# Allegro board Single PMT Data AcquisitionV_3P3.brd (continued)
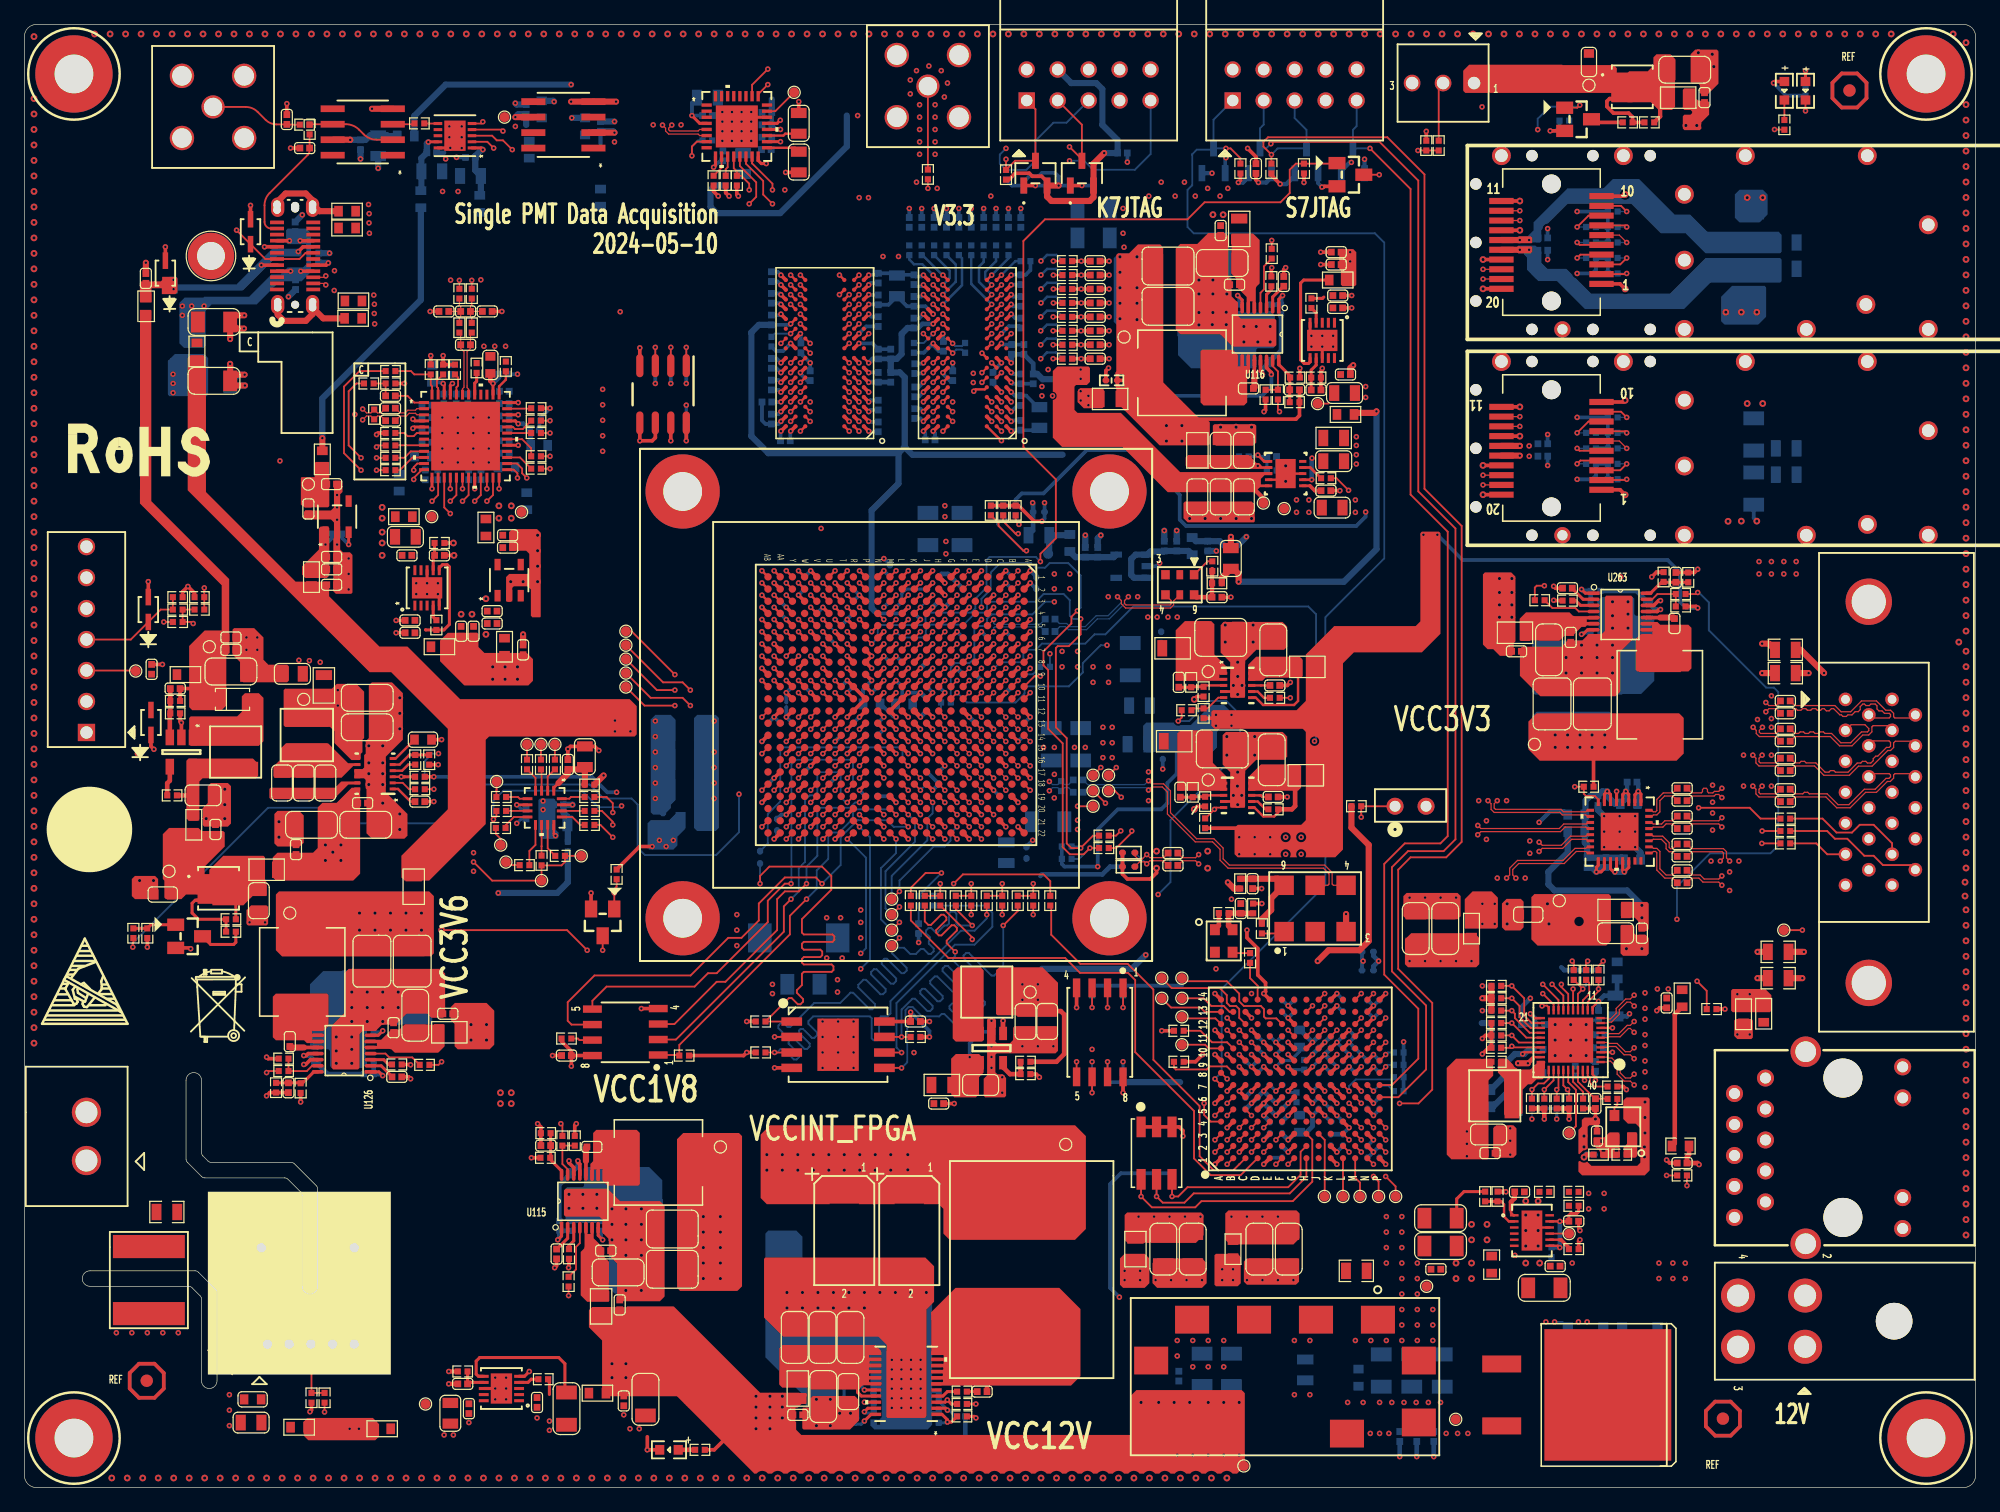
[diagram p0: board, top side]
## Copper pours and planes (outline as drawn; the poured copper is in the pictures) (continued)
VCC3V3_SFPGA_ETH on TOP: 136.32,41.4 133.78,41.4 133.69,41.31 133.69,40.1 133.91,39.88 134.79,39.88 135.43,40.51 136.32,40.51 136.44,40.64 136.44,41.27
VCC3V3_SFPGA_ETH on BOTTOM: 119.43,33.4 119.17,33.66 119.17,37.21 119.43,37.47 119.68,37.47 119.81,37.59 119.81,40.39 119.68,40.51 119.43,40.51 119.3,40.64 119.3,41.4 120.25,42.35 126.22,42.35 126.48,42.61 126.48,43.24 126.79,43.56 129.33,43.56 130.09,42.8 132.89,42.8 133.14,42.55 133.14,31.5 133.02,31.37 132.25,31.37 128.57,27.69 128.57,26.54 128.95,26.16 129.59,26.16 131.37,27.94 133.65,27.94 134.73,29.02 134.73,32.07 135.05,32.38 135.05,44.32 134.03,45.34 125.65,45.34 125.14,45.85 125.14,47.88 124.89,48.13 122.22,48.13 121.97,47.88 121.97,45.59 121.71,45.34 118.67,45.34 117.9,44.58 117.9,30.86 118.03,30.73 119.17,30.73 119.43,30.99
VCC3V6 on TOP (solid shape): 109.22,101.32 109.22,98.65 109.09,98.53 108.08,98.53 107.95,98.65 107.95,99.8 107.82,99.92 107.82,101.45 107.95,101.57 108.97,101.57
VCC3V6 on TOP (solid shape): 14.89,92.65 14.89,81.65 22.24,74.3 23.03,74.3 23.04,74.3 24.81,74.3 24.99,74.12 24.99,73.1 28.75,69.34 28.75,69.34 29.11,68.98 31.41,68.98 35.72,64.67 49.63,64.67 50.21,64.09 50.21,61.77 50.04,61.59 38.1,61.59 37.83,61.32 37.83,54.42 33.19,49.78 31.16,49.78 30.91,50.04 30.91,51.82 34.72,55.63 34.72,62.23 30.08,66.87 28.31,66.87 13.39,81.79 13.39,92.63 13.63,92.87 14.67,92.87
VCC3V6 on BOTTOM: 48.31,61.21 47.8,61.72 47.8,76.88 49,78.08 55.65,78.08 57.7,80.14 57.7,83.44 56.31,84.84 56.31,96.98 56.26,97.03 56.26,99.31 55.5,100.08 49.53,100.08 46.1,103.5 46.1,104.9 46.61,105.41 48.01,105.41 50.04,103.38 65.41,103.38 68.2,106.17 69.94,106.17 69.94,104.1 66.93,101.09 61.34,101.09 58.85,98.6 58.85,85.09 59.86,84.07 59.86,78.49 56.69,75.31 51.31,75.31 50.59,74.6 50.59,61.72 50.09,61.21
VCC3V6 on ART06: 67.69,109.35 67.69,105.66 67.94,105.41 70.23,105.41 72.26,107.44 96.14,107.44 96.52,107.06 98.3,107.06 98.68,107.44 101.47,107.44 107.44,101.47 107.44,99.95 107.7,99.69 108.71,99.69 109.22,100.2 109.22,105.79 105.28,109.73 68.07,109.73
VCC5V on TOP (solid shape): 29.08,5.21 29.08,4.19 28.78,3.88 23.28,3.88 22.9,4.27 22.9,5.41 23.21,5.71 28.57,5.71
VCC5V on ART08: 46.99,85.34 45.97,84.33 45.97,60.2 47.75,58.42 47.75,58.04 47.37,57.66 47.37,52.59 42.53,47.75 42.53,30.92 35.35,23.75 35.35,9.91 29.26,3.81 26.54,3.81 26.16,4.19 26.16,5.59 26.54,5.97 27.99,5.97 33.19,11.18 33.19,25.02 37.38,29.21 37.38,32.89 40.47,35.98 40.47,49.44 43.94,52.91 43.94,115.44 44.32,115.82 46.86,115.82 46.99,115.7
VCC12V on TOP (solid shape): 38.53,39.12 38.53,36.32 38.15,35.94 35.53,35.94 35.28,36.2 35.28,38.02 34.95,38.35 34.95,39.4 35.3,39.75 37.89,39.75
VCC12V on TOP (solid shape): 122.27,74.71 122.27,69.4 122.12,69.25 122.12,68.36 121.98,68.21 120.99,68.21 120.45,68.76 119.98,68.76 119.6,69.14 119.6,74.9 119.76,75.06 121.92,75.06
VCC12V on TOP (solid shape): 27.53,57.38 27.53,50.34 26.97,49.78 20.62,49.78 20.37,50.04 20.37,51.69 20.75,52.07 23.67,52.07 24.05,52.45 24.05,55.78 24.43,56.16 25.6,56.16 26.84,57.4 27.5,57.4
VCC12V on TOP (solid shape): 137.07,114.69 137.07,113.93 137.26,113.74 138.02,113.74 138.15,113.61 138.15,112.6 137.52,111.96 137.52,111.87 137.49,111.71 137.52,111.54 137.52,111.46 137.39,111.33 136.12,111.33 135.99,111.46 135.99,112.47 136.12,112.6 136.63,112.6 136.75,112.73 136.75,112.85 136.63,112.98 136.12,112.98 135.99,113.11 135.99,114.63 136.12,114.76 137.01,114.76
VCC12V on TOP (solid shape): 60.32,7.79 63.55,7.79 63.55,7.77 64.08,7.77 64.16,7.68 64.16,7.47 64.13,7.43 64.13,6.9 64.09,6.87 63.73,6.87 63.64,6.77 63.63,6.77 63.41,6.55 63.24,6.55 63.24,5.38 63.29,5.38 63.29,4.74 63.71,4.32 90.68,4.32 90.68,7.49 91.19,8 99.82,8 100.08,7.75 100.08,1.78 99.44,1.14 99.07,1.14 98.6,1.37 98.14,1.14 97.8,1.14 97.33,1.37 96.87,1.14 96.53,1.14 96.06,1.37 95.6,1.14 95.26,1.14 94.79,1.37 94.33,1.14 93.99,1.14 93.52,1.37 93.06,1.14 92.72,1.14 92.25,1.37 91.79,1.14 91.45,1.14 90.98,1.37 90.52,1.14 90.18,1.14 89.71,1.37 89.25,1.14 88.91,1.14 88.44,1.37 87.98,1.14 87.64,1.14 87.17,1.37 86.71,1.14 86.37,1.14 85.9,1.37 85.44,1.14 85.1,1.14 84.63,1.37 84.17,1.14 83.83,1.14 83.36,1.37 82.9,1.14 82.56,1.14 82.09,1.37 81.63,1.14 81.29,1.14 80.82,1.37 80.36,1.14 80.02,1.14 79.55,1.37 79.09,1.14 78.75,1.14 78.28,1.37 77.82,1.14 77.48,1.14 77.01,1.37 76.55,1.14 76.21,1.14 75.74,1.37 75.28,1.14 74.94,1.14 74.47,1.37 74.01,1.14 73.67,1.14 73.2,1.37 72.74,1.14 72.4,1.14 71.93,1.37 71.47,1.14 71.13,1.14 70.66,1.37 70.2,1.14 69.86,1.14 69.39,1.37 68.93,1.14 68.59,1.14 68.12,1.37 67.66,1.14 67.32,1.14 66.85,1.37 66.39,1.14 66.05,1.14 65.58,1.37 65.12,1.14 64.78,1.14 64.31,1.37 63.85,1.14 63.51,1.14 63.04,1.37 62.58,1.14 62.24,1.14 61.77,1.37 61.31,1.14 60.97,1.14 60.5,1.37 60.04,1.14 59.86,1.14 53.51,7.49 47.37,7.49 47.37,12.07 46.29,13.15 46.29,14.54 46.56,14.81 48.23,14.81 48.23,14.8 49.4,14.8 49.4,14.86 53.25,14.86
VCC12V on BOTTOM (solid shape): 15.07,92.62 15.07,89.64 14.94,89.51 11.9,89.51 11.77,89.64 11.77,92.41 12.32,92.96 14.73,92.96
VCC12V on TOP: 99.95,104.9 100.46,104.39 100.46,103.63 100.08,103.25 97.03,103.25 96.9,103.38 96.9,104.65 97.16,104.9
VCC12V on BOTTOM: 62.28,1.14 55.16,8.26 45.39,8.26 45.36,8.28 44.47,8.28 34.84,17.91 34.84,47.12 31.67,50.29 24.3,50.29 23.92,50.67 23.92,52.96 24.05,53.09 32.81,53.09 38.4,47.5 38.4,20.32 43.56,15.16 54.99,15.16 62.66,7.49 62.66,5.33 63.93,4.06 88.39,4.06 90.3,5.97 90.3,15.49 91.26,16.46 96.77,16.46 97.16,16.84 97.16,24.38 98.36,25.59 112.59,25.59 113.65,26.65 113.65,39.5 111.38,41.77 111.38,45.21 109.03,47.56 109.03,72.2 112.01,75.18 112.01,102.23 111,103.25 97.54,103.25 97.28,103.5 97.28,104.65 97.66,105.03 110.74,105.03 118.62,112.9 119.89,112.9 123.83,116.84 136.4,116.84 138.56,114.68 138.56,111.89 137.92,111.25 135.76,111.25 135.51,111.51 135.51,113.28 134.49,114.3 125.09,114.3 121.28,110.49 120.14,110.49 114.3,104.65 114.3,76.2 114.94,75.56 122.05,75.56 122.56,75.06 122.56,70.87 117.52,65.83 117.52,26.97 114.05,23.5 107.82,23.5 106.3,21.97 106.3,15.75 101.27,10.71 101.27,2.71 99.69,1.14
VCC12V on ART08: 23.88,51.05 26.54,51.05 26.67,51.18 26.67,52.83 20.95,58.55 20.95,72.01 13.21,79.76 13.21,91.57 12.83,91.95 11.94,91.95 11.56,91.57 11.56,80.01 19.68,71.88 19.68,57.66 23.62,53.72 23.62,51.31
VCC12V_BST on TOP (solid shape): 14.53,53.85 16.3,53.85 16.43,53.72 16.43,52.58 14.78,50.93 14.78,48.77 14.65,48.64 13.26,48.64 12.87,48.26 11.6,48.26 11.48,48.39 11.48,49.78 11.35,49.91 11.35,53.59 11.86,54.1 14.27,54.1
VCC12V_FAN on TOP (solid shape): 126.13,116.66 130.32,116.66 130.58,116.41 130.58,114.5 130.45,114.38 118.16,114.38 117.98,114.55 117.98,116.2 118.48,116.7 126.1,116.7
VCC12V_IN on TOP: 116,22.99 120.82,22.99 121.08,22.73 121.08,21.82 121.37,21.53 122.46,21.53 122.5,21.49 122.5,21.44 122.53,21.41 122.53,21.26 122.5,21.23 121.28,21.23 119.17,19.13 119.17,8.26 119.53,7.9 122.7,7.9 122.98,7.62 122.98,3.22 122.63,2.87 106.88,2.87 106.68,3.07 106.68,6.63 107.95,7.9 115.52,7.9 116.25,8.64 116.25,15.62 115.74,16.13 115.74,22.73
VCC12V_IN on BOTTOM: 107.87,8.76 107.87,4.45 108.12,4.19 111.89,4.19 112.14,4.45 116.08,4.45 116.33,4.19 120.78,4.19 121.46,4.87 121.46,21.84 121.08,22.23 117.01,22.23 116.51,21.72 116.51,16.51 117.9,15.11 117.9,9.4 117.39,8.89 108,8.89
VCC12V_IN_CON on TOP: 127.22,24.51 127.22,24.08 127.61,23.7 127.94,23.7 128.09,23.55 128.09,19.35 127.61,18.87 125.85,18.87 125.7,18.72 125.7,17.53 125.32,17.14 125.32,16.05 125.55,15.82 135,15.82 136.53,14.3 136.53,11.05 137.67,9.91 147.07,9.91 147.96,10.79 147.96,12.7 147.45,13.21 139.32,13.21 138.3,14.22 138.3,17.65 136.17,19.79 132.13,19.79 130.88,21.03 130.88,24.18 130.05,25.02 127.73,25.02
VCC12V_IN_CON on BOTTOM: 135.74,15.11 135.25,15.11 135,14.86 135,11.68 134.75,11.43 133.35,11.43 133.1,11.68 133.1,14.73 132.72,15.11 122.09,15.11 121.84,15.37 121.84,19.05 122.09,19.3 124.76,19.3 125.02,19.05 126.54,19.05 127.3,19.81 127.3,24.64 127.68,25.02 130.05,25.02 131.11,23.96 131.11,20.83 131.87,20.07 136.02,20.07 138.3,17.78 138.3,14.22 139.32,13.21 147.45,13.21 147.96,12.7 147.96,10.79 147.07,9.91 137.67,9.91 136.53,11.05 136.53,14.33
VCC15V on TOP (solid shape): 10.41,96.57 10.41,80.9 16.79,74.52 16.79,70.12 16.81,70.1 16.81,68.45 16.56,68.2 16.56,64.14 16.18,63.75 13.76,63.75 13.51,64.01 13.51,69.02 14.78,70.29 16.16,70.29 16.18,70.31 16.18,74 9.47,80.7 9.47,81.86 9.48,81.86 9.48,95.75 9.47,95.76 9.47,96.59 10.39,96.59
VCC15V_OUT on TOP (solid shape): 12.55,99.17 12.55,98.04 12.39,97.88 11.27,97.88 11.27,97.95 11.27,97.95 11.27,98.33 11.24,98.36 10.46,98.36 10.43,98.33 10.43,97.22 10.4,97.19 9.52,97.19 9.47,97.24 9.47,98.81 9.59,98.93 11.19,98.93 11.3,99.04 11.3,99.28 11.32,99.3 12.42,99.3
VCC15V_OUT on BOTTOM (solid shape): 22.73,101.47 22.73,101.09 22.61,100.97 20.7,100.97 17.91,98.17 12.57,98.17 12.57,97.92 11.81,97.92 11.81,99.19 11.94,99.31 12.45,99.31 12.57,99.19 12.57,98.68 17.4,98.68 20.32,101.6 22.61,101.6
VCC15V_RSV on TOP: 4.36,61.2 4.16,61.41 4.16,62.49 4.54,62.88 8.8,62.88 10.12,64.2 10.12,66.99 10.15,67.02 11.78,67.02 12.01,67.25 12.9,67.25 12.92,67.26 12.92,66.42 12.89,66.39 10.69,66.39 10.66,66.36 10.66,63.05 9.77,63.05 8.89,62.17 6.86,62.17 5.88,61.2
VCC-3V_A on TOP: 25.33,66.19 23.69,66.19 23.55,66.05 22.4,66.05 22.23,66.22 22.23,68.05 22.29,68.11 24.8,68.11 25.38,67.53 25.38,66.24
VCC-3V_A on ART03: 22.23,67.44 22.1,67.56 22.1,88.77 18.54,92.33 18.54,98.42 19.81,99.69 19.81,101.09 19.3,101.6 19.3,101.98 19.43,102.11 19.94,102.11 20.32,101.73 20.32,101.22 20.83,100.71 25.02,100.71 25.27,100.46 25.27,100.08 25.15,99.95 24.38,99.95 24.13,100.2 21.34,100.2 19.43,98.3 19.43,92.84 23.11,89.15 23.11,68.33 23.37,68.07 24.38,68.07 24.51,67.94 24.51,67.44
VCCAUX on BOTTOM: 88.31,62.87 90.85,62.87 91.11,62.61 91.11,59.69 90.62,59.21 88.39,59.21 88.01,59.59 88.01,61.09 87.88,61.21 83.19,61.21 83.06,61.34 83.06,64.77 83.31,65.02 86.15,65.02
VCCAUX on ART06: 89.96,62.23 89.33,62.87 77.09,62.87 75.31,64.64 75.31,68.07 75.18,68.2 69.95,68.2 69.65,68.5 69.65,69.11 69.34,69.42 68.35,69.42 68.22,69.29 68.22,68.33 67.23,67.34 67.23,65.53 67.2,65.49 67.2,63.74 67.49,63.45 67.49,59.61 68.05,59.05 73.41,59.05 75.31,57.15 89.53,57.15 89.96,57.58
VCCINT_FPGA on TOP (solid shape): 92.25,18.8 92.25,16.76 91.87,16.38 90.09,16.38 89.84,16.64 89.84,18.8 90.22,19.18 91.87,19.18
VCCINT_FPGA on TOP (solid shape): 87.04,28.83 87.04,21.21 86.15,20.32 75.87,20.32 75.36,20.83 75.36,22.86 74.98,23.24 73.76,23.24 73.76,23.31 71.37,23.31 71.37,23.24 68.42,23.24 68.42,23.31 66.04,23.31 66.04,23.24 60.88,23.24 60.37,23.75 60.37,28.96 61.13,29.72 86.15,29.72
VCCINT_FPGA on BOTTOM: 60.12,27.56 60.12,22.86 60.63,22.35 62.66,22.35 62.91,22.61 62.91,27.69 62.66,27.94 60.5,27.94
VCCINT_FPGA on BOTTOM: 58.17,47.37 60.96,47.37 61.34,46.99 61.34,44.07 60.96,43.69 58.17,43.69 57.78,44.07 57.78,46.99
VCCINT_FPGA on BOTTOM: 61.21,42.29 62.74,42.29 62.99,42.04 62.99,40.39 62.87,40.26 61.09,40.26 60.96,40.39 60.96,42.04
VCCINT_FPGA on POWR05: 60.86,25.53 60.24,26.14 60.24,38.71 56.82,42.14 56.82,61.13 57.15,61.47 66.8,61.47 67.18,61.85 67.18,63.37 68.45,64.64 68.45,67.94 69.09,68.58 71.09,68.58 72.24,69.72 85.34,69.72 86.03,69.04 86.03,41.78 78.23,33.99 78.23,27.05 76.71,25.53
VCCINT_FPGA on ART08: 60.37,27.56 88.82,27.56 95.04,21.34 99.23,21.34 100,20.57 100,16.64 99.49,16.13 90.68,16.13 83.69,23.11 60.75,23.11 59.99,23.88 59.99,27.18
VCCINT_S_FPGA on TOP (solid shape): 96.69,22.35 96.69,20.7 96.06,20.07 90.47,20.07 90.22,20.32 90.22,22.35 90.43,22.57 96.48,22.57
VCCINT_S_FPGA on BOTTOM: 91.48,20.23 96.56,20.23 96.81,20.49 96.81,22.27 96.56,22.52 91.23,22.52 90.97,22.27 90.97,20.74
VCCINT_S_FPGA on POWR05: 96.57,36.37 96.57,40.66 97.05,41.15 107.38,41.15 108.25,40.28 108.25,31.16 107.31,30.23 105.28,30.23 95.89,20.83 91.31,20.83 90.81,21.34 90.81,30.61
(no net) on TOP: 74.98,23.24 75.36,22.86 75.36,20.83 75.87,20.32 86.15,20.32 87.04,21.21 87.04,28.83 86.15,29.72 61.13,29.72 60.37,28.96 60.37,23.75 60.88,23.24
(no net) on TOP: 48.69,14.86 53.25,14.86 60.32,7.79 63.55,7.79 63.55,7.77 64.08,7.77 64.16,7.68 64.16,6.88 64.05,6.77 63.63,6.77 63.29,6.43 63.29,4.74 63.71,4.32 90.68,4.32 90.68,7.49 91.19,8 99.82,8 100.08,7.75 100.08,1.78 99.44,1.14 59.86,1.14 53.51,7.49 47.37,7.49 47.37,12.06 46.29,13.15 46.29,14.54 46.56,14.81 48.64,14.81
(no net) on TOP: 62.16,11.7 69.76,11.7 70.25,11.2 70.25,10.88 69.31,10.88 69.25,10.83 69.25,10.7 69.31,10.65 70.25,10.65 70.25,10.38 69.34,10.38 69.29,10.33 69.29,10.21 69.34,10.16 70.25,10.16 70.25,9.87 69.3,9.87 69.25,9.82 69.25,9.7 69.3,9.65 70.26,9.65 70.26,9.38 69.31,9.38 69.26,9.32 69.26,9.2 69.31,9.15 70.25,9.15 70.25,8.87 69.32,8.87 69.26,8.82 69.26,8.69 69.32,8.64 70.26,8.64 70.26,8.63 70.28,8.61 70.28,8.43 70.23,8.38 68.76,8.38 68.42,8.04 64.53,8.04 64.37,8.2 62.15,8.2 61.9,8.45 61.9,11.43
(no net) on TOP: 133.27,31.88 133.14,32 131.37,32 131.11,31.75 131.11,30.23 131.49,29.84 132.13,29.84 132.51,29.46 132.51,26.64 132.25,26.39 128.49,26.39 128.19,26.7 128.19,29.59 128.32,29.72 129.08,29.72 129.21,29.84 129.21,30.23 129.08,30.35 127.91,30.35 127.71,30.15 127.71,29.62 127.43,29.34 127.43,25.91 127.73,25.6 132.86,25.6 133.27,26.01
(no net) on TOP: 39.5,72.77 39.5,74.68 39.75,74.93 41.27,74.93 41.4,75.06 41.4,76.58 41.15,76.83 39.88,76.83 39.75,76.96 39.75,78.36 40.01,78.61 42.04,78.61 42.34,78.31 42.34,71.42 42.29,71.37 41.66,71.37 41.53,71.5 41.53,73.66 41.27,73.91 40.13,73.91 40.01,73.79 40.01,72.77 39.88,72.64 39.62,72.64
(no net) on TOP: 131.47,29.13 132.13,29.13 132.25,29.01 132.25,27.2 132.1,27.05 131.24,27.05 131.14,27.15 131.14,27.91 131.42,28.19 131.42,29.08
(no net) on TOP: 76.35,16.38 84.86,16.38 86.6,14.64 86.6,9.14 85.83,8.37 74.36,8.37 74.36,8.62 74.39,8.65 75.28,8.65 75.33,8.7 75.33,8.82 75.28,8.87 74.39,8.87 74.36,8.89 74.36,9.15 75.26,9.15 75.31,9.2 75.31,9.32 75.26,9.37 74.36,9.37 74.36,9.63 74.39,9.66 75.3,9.66 75.35,9.71 75.35,9.82 75.3,9.87 74.37,9.87 74.36,9.86 74.36,10.13 74.39,10.15 75.33,10.15 75.38,10.2 75.38,10.32 75.33,10.37 74.39,10.37 74.36,10.4 74.36,10.63 74.38,10.65 75.33,10.65 75.38,10.7 75.38,10.82 75.33,10.87 74.38,10.87 74.36,10.89 74.36,13.68 74.34,14.37
(no net) on TOP: 130.65,27.03 129.33,27.03 129.21,27.15 129.21,27.53 128.67,28.07 128.67,28.68 128.72,28.73 129.56,28.73 129.94,29.11 130.65,29.11 130.81,28.96 130.81,27.18 ; 3 cut-outs
(no net) on TOP: 23.28,3.88 22.9,4.27 22.9,5.41 23.21,5.71 28.57,5.71 29.08,5.21 29.08,4.19 28.78,3.88
(no net) on TOP: 34.08,69.47 34.72,70.1 37.13,70.1 37.23,70 37.23,68.94 37.72,68.45 41.2,68.45 41.7,67.94 41.7,66.17 41.32,65.79 36.07,65.79 34.08,67.77
(no net) on TOP: 124.63,35 124.2,35 123.49,34.29 122.47,34.29 121.59,35.18 120.95,35.18 120.82,35.05 120.82,34.04 121.33,33.53 121.33,30.61 121.56,30.38 122.53,30.38 122.86,30.71 122.86,32.64 123.29,33.07 124.13,33.07 124.71,33.66 124.71,34.92
(no net) on TOP: 68.18,7.52 64.64,7.52 64.43,7.31 64.43,6.77 64.22,6.56 63.86,6.56 63.79,6.49 63.79,4.86 63.89,4.77 67.71,4.77 68.44,5.5 68.44,7.26
(no net) on TOP: 62.22,12.38 70.04,12.38 70.71,11.7 70.71,5.79 70.79,5.71 73.81,5.71 73.96,5.87 73.96,14.61 74.6,15.24 74.6,18.15 73.88,18.87 60.75,18.87 60.65,18.77 60.65,13.94
(no net) on TOP: 116.63,27.3 117.01,26.92 119.94,26.92 120.06,27.05 120.06,33.4 120.44,33.78 120.44,35.05 120.32,35.18 117.39,35.18 116.63,34.42
(no net) on TOP: 122.09,29.72 120.7,29.72 120.44,29.46 120.44,27.18 120.57,27.05 122.09,27.05 122.35,27.3 122.35,29.46
(no net) on BOTTOM: 142.69,98.56 140.02,98.56 139.14,97.67 139.14,95.64 139.39,95.38 142.18,95.38 142.82,96.02 142.82,98.43
(no net) on BOTTOM: 74.04,16.6 64.22,16.6 63.8,17.02 63.8,20.57 63.29,21.08 61.01,21.08 60.75,20.83 60.75,10.69 64.06,7.39 64.06,5.21 64.48,4.78 66.28,4.78 66.57,5.07 66.57,5.63 66.76,5.82 67.9,5.82 68.03,5.94 68.03,6.25 67.91,6.37 66.83,6.37 66.58,6.62 66.58,9.01 67.2,9.62 69.23,9.62 69.36,9.49 69.36,7.54 69.44,7.46 70.05,7.46 70.3,7.21 70.3,5.77 70.11,5.58 69.38,5.58 69.38,5.09 69.7,4.77 74.06,4.77 74.44,5.15 74.44,16.2 ; 2 cut-outs
(no net) on BOTTOM: 143.96,101.22 137.87,101.22 136.21,102.88 134.18,102.88 131.77,105.29 126.54,105.29 124.39,103.13 124.39,102.23 124.26,102.09 122.47,102.09 122.37,102.19 122.37,102.49 122.5,102.62 123.26,102.62 123.75,103.11 123.75,103.76 126.54,106.56 129.48,106.56 130.25,107.32 132.4,107.32 135.33,104.4 136.6,104.4 137.99,103 143.83,103 144.09,102.75 144.09,101.35
(no net) on BOTTOM: 140.64,106.43 142.56,106.43 142.95,106.05 142.95,104.42 142.29,103.76 140.64,103.76 140.25,104.14 140.25,106.05
(no net) on BOTTOM: 143.96,98.81 138.25,98.81 136.09,96.65 127.96,96.65 125.66,98.95 124.14,98.95 123.21,99.87 123.21,100.89 122.88,101.22 122.5,101.22 122.39,101.33 122.39,101.76 122.5,101.86 123.9,101.86 124.39,101.36 124.39,100.44 124.89,99.95 126.44,99.95 128.47,97.92 134.94,97.92 137.87,100.84 143.96,100.84 144.09,100.72 144.09,98.94
FPGA_SFP1_VCCR on BOTTOM (solid shape): 135.33,104.4 136.6,104.4 137.99,103 143.83,103 144.09,102.75 144.09,101.35 143.96,101.22 137.87,101.22 136.21,102.88 134.18,102.88 131.77,105.29 126.54,105.29 124.91,103.66 124.87,103.66 124.81,103.65 124.76,103.63 124.71,103.61 124.66,103.58 124.62,103.54 124.58,103.5 124.55,103.45 124.53,103.4 124.51,103.35 124.5,103.29 124.5,103.24 124.39,103.13 124.39,102.23 124.26,102.09 124.02,102.09 124,102.11 122.45,102.11 122.37,102.19 122.37,102.49 122.5,102.62 123.26,102.62 123.75,103.11 123.75,103.76 126.07,106.08 130.83,106.08 130.83,106.02 130.84,105.96 130.85,105.91 130.88,105.85 130.91,105.8 130.95,105.76 130.99,105.72 131.04,105.68 131.09,105.65 131.15,105.63 131.2,105.62 131.26,105.62 131.32,105.62 131.38,105.63 131.43,105.65 131.49,105.68 131.53,105.72 131.58,105.76 131.62,105.8 131.65,105.85 131.67,105.91 131.69,105.96 131.69,106.02 131.69,106.08 131.69,106.14 131.67,106.2 131.65,106.25 131.62,106.3 131.58,106.35 131.53,106.39 131.49,106.42 131.43,106.45 131.38,106.47 131.32,106.48 131.26,106.48 131.2,106.48 131.15,106.47 131.09,106.45 131.04,106.42 130.99,106.39 130.95,106.35 130.91,106.3 130.88,106.25 130.85,106.2 130.84,106.14 130.83,106.08 126.07,106.08 126.54,106.56 129.48,106.56 130.25,107.32 132.4,107.32
FPGA_SFP1_VCCT on BOTTOM (solid shape): 124.39,101.36 124.39,100.44 124.89,99.95 126.44,99.95 126.94,99.45 126.94,99.44 127.04,99.29 127.19,99.19 127.21,99.18 128.47,97.92 131.06,97.92 131.26,97.87 131.47,97.92 134.94,97.92 137.87,100.84 143.96,100.84 144.09,100.72 144.09,98.94 143.96,98.81 138.25,98.81 136.09,96.65 127.96,96.65 125.66,98.95 124.14,98.95 123.21,99.87 123.21,100.89 122.88,101.22 122.5,101.22 122.39,101.33 122.39,101.76 122.5,101.86 123.9,101.86
FPGA_SFP2_VCCR on TOP: 120.14,85.72 123.7,85.72 123.83,85.6 123.83,85.34 123.7,85.22 120.14,85.22
FPGA_SFP2_VCCR on BOTTOM: 143.96,84.34 137.87,84.34 136.21,85.99 134.18,85.99 131.77,88.41 126.54,88.41 124.39,86.25 124.39,85.34 124.26,85.21 122.47,85.21 122.37,85.31 122.37,85.61 122.5,85.74 123.26,85.74 123.75,86.22 123.75,86.88 126.54,89.68 129.48,89.68 130.25,90.44 132.4,90.44 135.33,87.52 136.6,87.52 137.99,86.12 143.83,86.12 144.09,85.87 144.09,84.47
FPGA_SFP2_VCCT on TOP: 120.14,84.96 123.7,84.96 123.83,84.84 123.83,84.45 123.7,84.33 120.14,84.33
FPGA_SFP2_VCCT on BOTTOM: 143.96,81.93 138.25,81.93 136.09,79.77 127.96,79.77 125.66,82.06 124.14,82.06 123.21,82.99 123.21,84.01 122.88,84.34 122.5,84.34 122.39,84.45 122.39,84.87 122.5,84.98 123.9,84.98 124.39,84.48 124.39,83.56 124.89,83.07 126.44,83.07 128.47,81.04 134.94,81.04 137.87,83.96 143.96,83.96 144.09,83.83 144.09,82.06
INPUT_GND on TOP: 116,9.45 115.7,9.14 113.16,9.14 112.78,9.53 112.78,11.56 112.65,11.68 109.01,11.68 108.89,11.81 108.89,15.79 109.73,16.64 109.73,22.48 110.36,23.11 115.24,23.11 115.49,22.86 115.49,16 116,15.49
INPUT_GND on TOP: 124.46,19.68 125.27,18.87 125.27,17.65 124.38,16.76 124.38,15.49 124.13,15.24 122.6,15.24 122.35,15.49 122.35,18.16 122.75,18.57 122.75,22.5 122.78,22.53 122.78,24.51 122.88,24.61 124.3,24.61 124.46,24.46
INPUT_GND on BOTTOM: 108,9.4 109.9,9.4 110.54,10.03 117.01,10.03 117.27,10.29 117.27,14.61 116.89,14.99 109.9,14.99 107.87,12.95 107.87,9.53
INPUT_GND on GND02: 119.41,23.11 121.31,25.02 130.05,25.02 130.94,24.13 130.94,20.95 132.08,19.81 136.14,19.81 138.3,17.65 149.27,17.65 150.16,16.76 150.16,14.2 148.31,12.35 148.31,10.38 140.21,2.29 112.52,2.29 112.39,2.41 112.39,3.81 112.65,4.06 116.2,4.06 116.46,3.81 119.13,3.81 119.25,3.94 119.25,9.91 117.73,11.43 113.03,11.43 112.78,11.68 109.09,11.68 108.97,11.81 108.97,15.88 109.73,16.64 109.73,22.48 110.36,23.11 ; 4 cut-outs
INPUT_GND on ART03: 119.41,23.11 121.31,25.02 130.05,25.02 130.94,24.13 130.94,20.95 132.08,19.81 136.14,19.81 138.3,17.65 149.48,17.65 150.16,16.97 150.16,14.2 148.31,12.35 148.31,10.38 140.21,2.29 112.52,2.29 112.39,2.41 112.39,3.81 112.65,4.06 116.2,4.06 116.46,3.81 119.13,3.81 119.25,3.94 119.25,9.91 117.73,11.43 113.03,11.43 112.78,11.68 109.09,11.68 108.97,11.81 108.97,15.88 109.73,16.64 109.73,22.48 110.36,23.11 ; 3 cut-outs
INPUT_GND on GND04: 119.28,22.99 121.31,25.02 130.05,25.02 130.94,24.13 130.94,20.95 132.08,19.81 136.14,19.81 138.3,17.65 149.35,17.65 150.16,16.84 150.16,14.2 148.31,12.35 148.31,10.38 140.21,2.29 112.52,2.29 112.39,2.41 112.39,3.81 112.65,4.06 116.2,4.06 116.46,3.81 119.13,3.81 119.25,3.94 119.25,9.91 117.73,11.43 113.03,11.43 112.78,11.68 109.09,11.68 108.97,11.81 108.97,15.88 109.73,16.64 109.73,22.48 110.24,22.99 ; 4 cut-outs
INPUT_GND on POWR05: 112.52,2.29 112.39,2.41 112.39,3.81 112.65,4.06 116.2,4.06 116.46,3.81 119.13,3.81 119.25,3.94 119.25,9.91 117.73,11.43 113.03,11.43 112.78,11.68 109.09,11.68 108.97,11.81 108.97,15.88 109.73,16.64 109.73,22.48 110.24,22.99 119.28,22.99 121.31,25.02 130.05,25.02 130.94,24.13 130.94,20.95 132.08,19.81 136.14,19.81 138.3,17.65 149.4,17.65 150.16,16.89 150.16,14.2 148.34,12.38 148.34,10.41 140.21,2.29 ; 4 cut-outs
INPUT_GND on POWR05, ART06: 112.52,2.29 112.39,2.41 112.39,3.81 112.65,4.06 116.2,4.06 116.46,3.81 119.13,3.81 119.25,3.94 119.25,9.91 117.73,11.43 113.03,11.43 112.78,11.68 109.09,11.68 108.97,11.81 108.97,15.88 109.73,16.64 109.73,22.48 110.24,22.99 119.28,22.99 121.31,25.02 130.05,25.02 130.94,24.13 130.94,20.95 132.08,19.81 136.14,19.81 138.3,17.65 149.4,17.65 150.16,16.89 150.16,14.2 148.34,12.38 148.34,10.41 140.21,2.29 ; 4 cut-outs
INPUT_GND on GND07: 119.28,22.99 121.31,25.02 130.05,25.02 130.94,24.13 130.94,20.95 132.08,19.81 136.14,19.81 138.3,17.65 149.48,17.65 150.16,16.97 150.16,14.2 148.34,12.38 148.34,10.41 140.21,2.29 112.52,2.29 112.39,2.41 112.39,3.81 112.65,4.06 116.2,4.06 116.46,3.81 119.13,3.81 119.25,3.94 119.25,9.91 117.73,11.43 113.03,11.43 112.78,11.68 109.09,11.68 108.97,11.81 108.97,15.88 109.73,16.64 109.73,22.48 110.24,22.99 ; 4 cut-outs
INPUT_GND on ART08: 119.28,22.99 121.31,25.02 130.05,25.02 130.94,24.13 130.94,20.95 132.08,19.81 136.14,19.81 138.3,17.65 149.48,17.65 150.16,16.97 150.16,14.2 148.31,12.35 148.31,10.38 140.21,2.29 112.52,2.29 112.39,2.41 112.39,3.81 112.65,4.06 116.2,4.06 116.46,3.81 119.13,3.81 119.25,3.94 119.25,9.91 117.73,11.43 113.03,11.43 112.78,11.68 109.09,11.68 108.97,11.81 108.97,15.88 109.73,16.64 109.73,22.48 110.24,22.99 ; 4 cut-outs
INPUT_GND on GND09: 119.27,22.97 121.31,25.02 130.05,25.02 130.94,24.13 130.94,20.95 132.08,19.81 136.14,19.81 138.3,17.65 149.48,17.65 150.16,16.97 150.16,14.2 148.34,12.38 148.34,10.41 140.21,2.29 112.52,2.29 112.39,2.41 112.39,3.81 112.65,4.06 116.2,4.06 116.46,3.81 119.13,3.81 119.25,3.94 119.25,9.91 117.73,11.43 113.03,11.43 112.78,11.68 109.09,11.68 108.97,11.81 108.97,15.88 109.73,16.64 109.73,22.48 110.24,22.99 119.25,22.99 ; 4 cut-outs
MGTAVCC on TOP: 83.82,68.45 84.33,68.96 88.39,68.96 89.79,67.56 93.22,67.56 93.91,66.87 93.91,60.58 84.2,60.58 83.82,60.96
MGTAVCC on ART06: 83.69,66.93 83.44,67.18 83.44,68.07 82.93,68.58 75.95,68.58 75.69,68.83 75.69,72.9 75.95,73.15 85.6,73.15 86.74,72.01 86.74,67.31 86.36,66.93
MGTAVTT on TOP: 93.77,68.07 93.77,69.72 93.39,70.1 91.06,70.1 85.92,75.25 84.01,75.25 83.69,74.93 83.69,72.77 83.82,72.64 85.22,72.64 89.79,68.07
MGTAVTT on ART06: 75.18,73.66 74.93,73.91 74.93,80.26 75.18,80.52 84.84,80.52 86.36,78.99 86.36,73.91 86.11,73.66
PMT_HV_OUT on TOP: 3.68,18.73 13.06,18.73 13.18,18.85 13.18,20.83 12.92,21.08 11.68,21.08 11.43,21.34 11.43,23.19 11.3,23.32 10.62,23.32 10.41,23.11 10.41,21.34 10.03,20.95 8.76,20.95 8.33,21.39 8.33,27.58 7.49,28.42 3.91,28.42 2.99,27.51 2.99,19.42
S_XADC_AGND on BOTTOM: 104.19,30.48 105.08,30.48 105.33,30.73 105.33,33.02 105.84,33.53 106.35,33.53 106.47,33.66 106.47,34.16 106.35,34.29 105.84,34.29 105.33,33.78 104.57,33.78 104.44,33.91 103.68,33.91 103.3,34.29 102.92,34.29 102.79,34.16 102.79,32.89 102.92,32.77 103.42,32.77 103.49,32.83 104.63,32.83 104.82,32.64 104.82,32 104.69,31.88 104.19,31.88 104.06,31.75 104.06,30.61
VTTDDR on TOP (solid shape): 87.38,91.82 87.38,90.68 87.12,90.42 86.23,90.42 86.11,90.3 86.11,88.39 86.36,88.14 89.92,88.14 94.77,83.29 102.31,83.29 102.33,83.26 102.33,83.06 102.31,83.03 101.7,83.03 101.62,82.95 101.58,82.92 101.55,82.89 101.39,82.73 101.39,82.12 100.91,81.64 93.75,81.64 90.04,85.34 85.09,85.34 84.33,86.11 84.33,89.2 84.64,89.53 84.33,89.87 84.33,91.57 84.71,91.95 87.25,91.95
VTTDDR on BOTTOM: 86.92,101.7 87.5,101.12 87.51,101.1 90.41,101.1 90.41,98.16 89.53,97.28 88.31,97.28 87.03,96 87.03,92.47 86.88,92.32 85.73,92.32 85.67,92.38 85.67,100.94 85.14,101.47 83.11,101.47 82.95,101.63 72.08,101.63 71.93,101.78 71.93,103.45 72.11,103.63 82.72,103.63 82.98,103.89 82.98,105.41 83.36,105.79 86.79,105.79 86.92,105.66
VTTDDR on ART08: 86.36,90.68 86.36,100.84 86.74,101.22 87.63,101.22 87.88,100.97 87.88,90.68 87.76,90.55 86.49,90.55
VTTVREF on TOP: 106.73,79.6 102.92,79.6 102.66,79.86 102.66,81.13 103.04,81.51 105.05,81.51 105.58,82.04 106.47,82.04 106.6,81.92 106.6,81.2 106.85,80.95 106.85,79.73
VTTVREF on BOTTOM: 63.12,83.57 62.61,83.06 62.61,72.77 62.36,72.52 59.69,72.52 59.31,72.14 59.31,65.41 60.07,64.64 62.61,64.64 62.74,64.52 62.74,63.88 62.61,63.75 58.42,63.75 57.91,64.26 57.91,75.82 60.24,78.15 60.24,84.84 60.63,85.22 83.74,85.22 84.25,85.72 84.25,91.19 85.14,92.08 86.92,92.08 87.3,92.46 87.3,95.5 88.52,96.72 89.53,96.72 89.53,89.03 90.04,88.52 94.23,88.52 100.2,82.55 105.03,82.55 106.17,81.41 106.17,80.52 105.16,79.5 96.14,79.5 96.01,79.63 96.01,80.39 91.31,85.09 87.3,85.09 85.77,83.57
N1143734 on TOP (solid shape): 130.81,28.96 130.81,27.18 130.65,27.03 129.33,27.03 129.21,27.15 129.21,27.3 130.7,27.3 130.7,27.81 130.4,27.81 130.4,27.3 129.64,27.3 129.64,27.81 129.33,27.81 129.33,27.3 129.21,27.3 129.21,27.53 129.14,27.6 129.14,27.76 128.98,27.76 128.67,28.07 128.67,28.27 129.49,28.27 129.49,28.57 128.98,28.57 128.98,28.27 128.67,28.27 128.67,28.68 128.72,28.73 129.56,28.73 129.94,29.11 130.65,29.11
N1143746 on TOP (solid shape): 132.25,29.01 132.25,27.2 132.1,27.05 131.24,27.05 131.14,27.15 131.14,27.91 131.42,28.19 131.42,29.08 131.47,29.13 132.13,29.13
N16645850 on TOP: 99.57,14.86 99.57,12.95 99.82,12.7 103.25,12.7 103.38,12.57 103.38,12.06 103.76,11.68 107.19,11.68 107.44,11.94 107.44,15.62 108.71,16.89 108.71,18.29 108.46,18.54 105.92,18.54 105.54,18.16 105.54,16.38 105.03,15.88 100.58,15.88
